# KiCad board 96_keeb.kicad_pcb (continued)
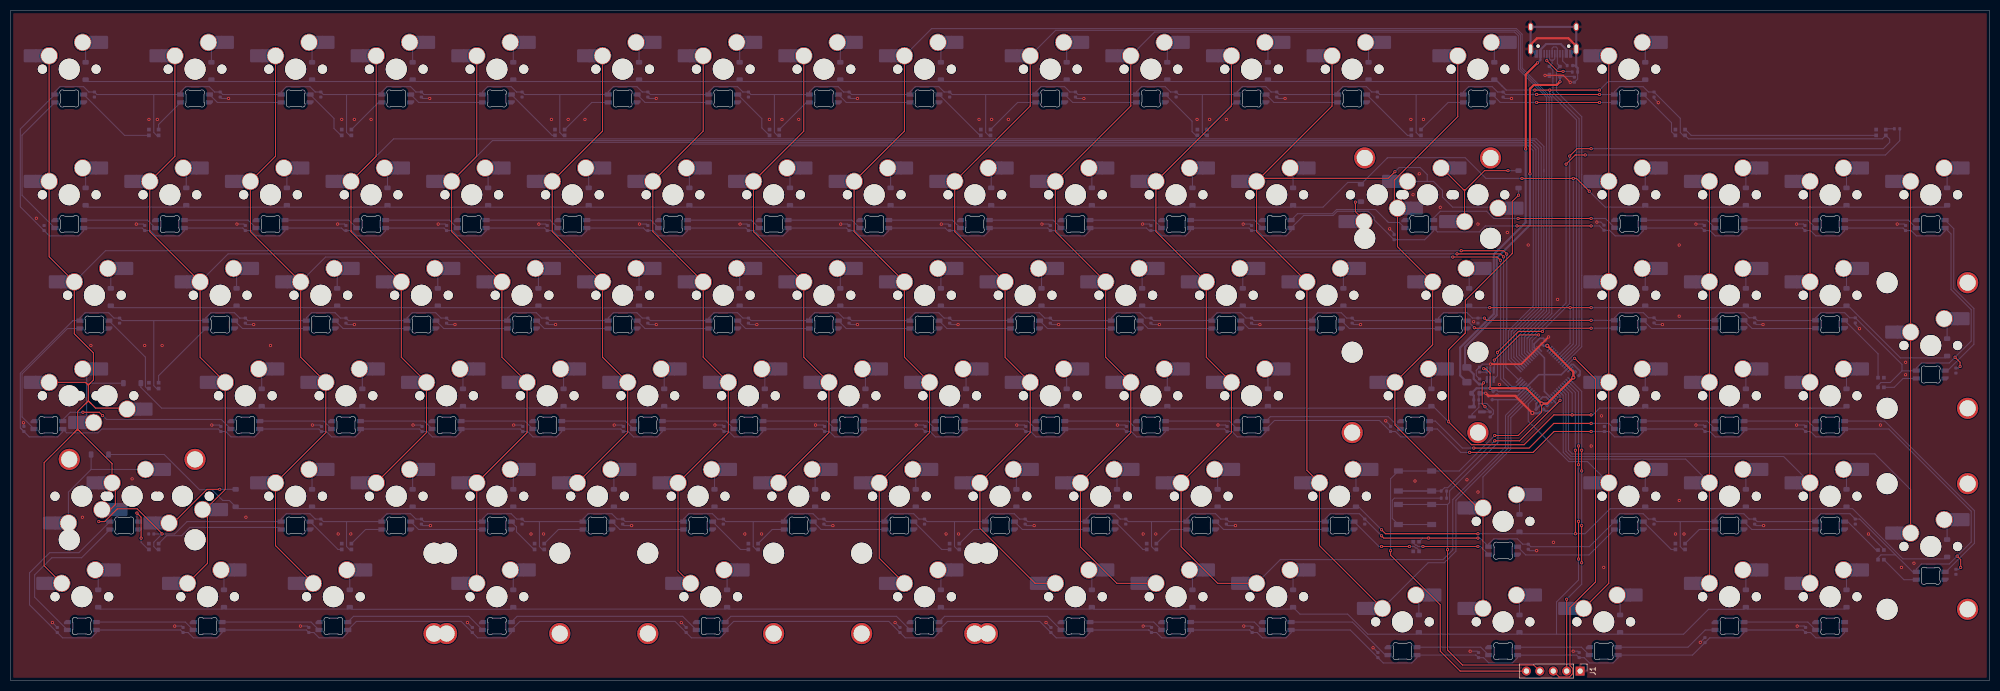
[diagram p0: board, top side]
## Routing (per net, layer and track width the routed paths; a pad name or vN(x,y) marks a point on that pad's centre or on a via; arc(x,y) is an arc through that point) (continued)
VBUS: length 76.4
  Top w0.4: v1(286.85,100.76) 286.85,114.84 v1(289.09,117.08)
  Bottom w0.4: v1(286.85,100.76) 286.85,86.82 280.82,80.79 280.82,69.48 274.45,63.11 274.45,57.83 F1.1 ; J2.A9 294.55,119.59 293.49,120.65 290.71,120.65 289.65,119.59 J2.A4 289.65,117.64 v1(289.09,117.08)
BOOT0: length 45.7
  Top w0.2: v1(293.36,53.09) 285.7,45.43 v1(280.99,45.43)
  Bottom w0.2: BOOT1.2 BOOT1.2 R3.1 271.48,36.53 272.09,36.53 v1(280.99,45.43) ; v1(293.36,53.09) 293.36,53.95 U1.44
col_0: length 447.2
  Top w0.2: 11.91,46.83 6.35,41.27 6.35,21.75 MX90.1 ; 11.91,46.83 12.7,47.62 ; 11.91,46.83 12.55,47.48 12.85,47.48 13.49,46.83 ; 13.49,46.83 19.21,41.12 MX72.1 ; 13.49,46.83 12.7,47.62 ; 14.72,53.01 14.19,52.49 ; 14.72,53.01 14.72,55.99 ; 14.72,53.01 15.21,52.52 ; 14.19,52.49 12.7,51 12.7,47.62 ; 14.19,52.49 14.57,52.87 14.86,52.87 15.21,52.52 ; 19.84,36.83 19.84,33.34 18.89,32.38 MX71.1 ; 21.88,51.63 16.1,51.63 15.21,52.52 ; 14.32,56.39 14.72,55.99 ; 14.32,56.39 14.19,56.51 MX55.1 ; 14.32,56.39 14.58,56.13 14.86,56.13 15.08,56.36 ; 14.72,55.99 15.08,56.36 ; MX1.1 MX16.1 7.3,80.33 12.06,75.56 12.06,65.72 15.68,62.1 15.68,56.96 15.08,56.36 ; v1(283.27,80.84) 283.27,80.89 282.68,81.47 v1(274.64,81.47)
  Bottom w0.2: 12.06,75.56 17.97,81.47 v1(274.64,81.47) ; 283.15,59.33 283.55,58.92 ; 283.55,58.92 U1.12 ; 283.55,58.92 283.11,59.37 283.11,66.53 283.27,66.69 v1(283.27,80.84)
col_1: length 386.6
  Top w0.2: MX2.1 31.11,99.38 MX17.1 26.35,85.09 35.88,75.56 35.88,61.28 MX56.1 40.64,36.2 36.82,32.38 ; v1(282.66,80.3) 282.09,80.87 v1(273.84,80.87) ; 37.27,31.46 37.27,22.19 MX91.1
  Bottom w0.2: U1.11 284.94,55.69 284.26,55.69 282.66,57.28 v1(282.66,80.3) ; v1(273.84,80.87) 41.18,80.87 35.88,75.56
col_2: length 372.1
  Top w0.2: v1(273.05,80.27) 281.45,80.27 v1(282.06,79.66) ; MX92.1 50.16,25.56 MX74.1 59.69,46.99 MX57.1 54.93,61.28 54.93,75.56 45.4,85.09 MX18.1 50.16,99.38 MX3.1
  Bottom w0.2: v1(282.06,79.66) 282.11,79.61 282.11,57.13 284.06,55.19 285.14,55.19 U1.10 ; v1(273.05,80.27) 59.63,80.27 54.93,75.56
col_3: length 366.4
  Top w0.2: MX75.1 78.74,46.99 MX58.1 73.98,61.28 73.98,75.56 64.45,85.09 MX19.1 69.22,99.38 MX4.1
  Bottom w0.2: MX19.1 72.51,102.67 288.86,102.67 290.29,101.24 290.29,96.41 ; 290.29,96.9 290.29,70.18 285.61,65.5 285.61,61.7 U1.17
col_4: length 365.4
  Top w0.2: MX93.1 MX76.1 97.79,46.99 MX59.1 93.03,61.28 93.03,75.56 83.5,85.09 MX20.1 88.27,99.38 MX5.1
  Bottom w0.2: U1.16 285.11,61.49 285.11,65.7 289.79,70.39 289.79,101.04 288.48,102.34 91.23,102.34 MX20.1
col_5: length 329.8
  Top w0.2: MX6.1 112.08,104.14 MX21.1 102.55,85.09 112.08,75.56 112.08,61.28 MX60.1 116.84,46.99 MX77.1
  Bottom w0.2: 289.29,100.83 288.6,101.52 ; 289.29,100.83 289.29,70.6 284.61,65.91 284.61,61.28 U1.15 ; 289.29,100.83 288.6,101.52 ; 288.6,101.52 288.1,102.02 109.95,102.02 MX21.1
col_6: length 329.6
  Top w0.2: MX94.1 126.37,20.8 MX78.1 135.89,46.99 MX61.1 131.13,61.28 131.13,75.56 121.6,85.09 MX22.1 131.13,104.14 MX7.1
  Bottom w0.2: 284.15,66.16 284.3,66.31 ; 284.3,66.31 284.11,66.12 284.11,61.08 U1.14 ; 284.3,66.31 288.79,70.8 288.79,100.62 287.73,101.69 128.68,101.69 MX22.1
col_7: length 289.8
  Top w0.2: MX79.1 154.94,46.99 MX62.1 150.18,61.28 150.18,75.56 140.65,85.09 MX23.1 150.18,104.14 MX8.1
  Bottom w0.2: MX23.1 147.4,101.36 287.35,101.36 288.29,100.41 288.29,71.01 283.61,66.32 283.61,60.87 U1.13
col_8: length 303
  Top w0.2: MX9.1 169.23,104.14 MX24.1 159.7,85.09 169.23,75.56 169.23,61.28 MX63.1 173.99,46.99 MX80.1 164.47,23.18 MX95.1
  Bottom w0.2: 287.49,61.94 U1.20 287.4,62.03 ; 287.4,62.03 287.11,62.32 287.11,64.87 287.33,65.1 ; 287.4,62.03 287.15,62.28 ; 287.61,65.38 287.33,65.1 ; 287.61,65.38 291.79,69.56 291.79,110.48 286.18,116.09 286.18,122.5 285.1,123.57 174.37,123.57 MX9.1 ; 287.61,65.38 287.15,64.91 287.33,65.1
col_9: length 285.3
  Top w0.2: MX10.1 193.04,108.9 MX25.1 178.75,85.09 188.28,75.56 188.28,61.28 MX64.1 193.04,46.99 MX81.1 183.52,28.88 193.98,18.41 MX96.1
  Bottom w0.2: U1.19 286.61,62.11 286.61,65.08 286.86,65.33 ; 286.86,65.33 286.65,65.12 ; 286.86,65.33 291.29,69.77 291.29,110.52 285.85,115.96 285.85,122.36 284.96,123.25 197.86,123.25 MX10.1
col_10: length 267.7
  Top w0.2: MX11.1 212.09,108.9 MX26.1 197.8,85.09 207.33,75.56 207.33,61.28 MX65.1 212.09,46.99 MX82.1 202.56,25.3 209.45,18.41 MX97.1
  Bottom w0.2: MX11.1 216.58,122.92 284.76,122.92 285.48,122.2 285.48,115.87 290.79,110.55 290.79,69.98 286.11,65.29 286.11,61.9 U1.18
col_11: length 204.7
  Top w0.2: MX12.1 231.14,108.9 MX27.1 216.85,85.09 226.38,75.56 226.38,61.28 MX66.1 231.14,46.99 MX83.1 221.62,25.34 228.54,18.41 MX98.1
  Bottom w0.2: 287.89,55.1 285.93,53.15 ; 285.93,53.15 283.03,50.25 283.03,44.27 273.05,34.28 273.05,24.75 271.21,22.91 240.39,22.91 MX98.1 ; 285.93,53.15 U1.6
col_12: length 228.1
  Top w0.2: MX13.1 250.19,108.9 MX28.1 235.9,85.09 245.43,75.56 245.43,39.85 246.86,38.42 ; v1(262.1,96.45) 260.86,95.2 236.49,95.2 ; MX101.1 247.81,25.56 MX84.1
  Bottom w0.2: v1(262.1,96.45) 262.89,97.24 266.86,97.24 268.21,95.89 268.21,94.61 ; 268.21,94.61 MX30.1 ; 268.21,94.61 269.39,94.61 271.09,92.92 271.09,91.65 273.02,89.73 281.43,89.73 ; MX101.1 268.38,22.32 271.45,22.32 273.64,24.51 273.64,34.17 283.53,44.06 283.53,50.04 288.27,54.78
col_13: length 147
  Top w0.2: MX14.1 274,106.9 261.98,94.87 261.98,90.13 ; MX29.1 262.57,82.23 269.24,75.56 269.24,63.66 MX67.1 262.1,48.42 277.81,32.7 ; MX88.1 MX102.1
  Bottom w0.2: 288.51,54.31 284.03,49.83 284.03,43.85 278.76,38.59 MX88.1
col_14: length 132
  Top w0.2: MX15.1 MX32.1 MX68.1 MX85.1 302.58,18.41 MX103.1
  Bottom w0.2: U1.3 287.34,52.43 287.34,49.16 295.01,41.48 298.56,41.48 MX85.1
col_15: length 119.2
  Top w0.2: MX99.1 MX86.1 MX69.1 MX33.1
  Bottom w0.2: MX86.1 317.14,41.96 295.24,41.96 293.96,43.24 293.96,54.05 U1.43 293.88,54.13
col_16: length 137
  Top w0.2: MX100.1 MX87.1 MX70.1 MX34.1
  Bottom w0.2: U1.42 294.46,54.26 294.46,43.45 295.45,42.46 335.69,42.46 MX87.1
col_17: length 155.1
  Top w0.2: MX89.1 MX53.1 MX35.1
  Bottom w0.2: MX89.1 359.73,36.18 352.95,42.96 295.66,42.96 294.96,43.66 294.96,54.47 U1.41
D+: length 65.7
  Bottom w0.2: 294.37,60.17 297.46,63.26 297.46,74.32 297.45,74.33 297.45,76.8 297.46,76.81 297.46,93.37 297.45,93.38 297.45,95.85 297.46,95.86 297.46,106.87 292.7,111.64 292.7,115.77 U3.3 292.85,116.91 J2.B6 292.85,119.85 292.6,120.1 292.1,120.1 291.85,119.85 J2.A6
D-: length 64.2
  Bottom w0.2: U1.32 296.96,63.47 296.96,106.48 292,111.44 292,114.19 292,115.77 U3.2 291.85,116.92 291.85,117.6 ; 291.85,117.6 291.6,117.6 291.35,117.85 J2.B7 ; 291.85,117.6 292.1,117.6 292.35,117.85 J2.A7
led_input: length 107.5
  Top w0.2: v1(294.5,97.89) 296.23,99.62 v1(298.12,99.62)
  Bottom w0.2: v1(294.5,97.89) 294.5,71.56 287.61,64.67 287.61,62.53 U1.21 287.65,62.49 ; R5.2 357.67,102.32 354.97,99.62 v1(298.12,99.62)
led_input_1: length 29
  Bottom w0.2: LED16.3 2.18,91.98 2.18,103.37 LED1.2
led_input_2: length 32.9
  Bottom w0.2: 366.67,58.69 371.71,63.73 371.71,70.5 367.89,74.32 367.89,85.64 LED33.2
led_input_3: length 25.9
  Bottom w0.2: LED34.2 10.78,66.72 2.18,58.11 2.18,49.96 4.43,47.71
led_input_4: length 45.5
  Bottom w0.2: LED67.2 354.11,49.17 354.11,49.17 354.82,49.17 371.8,32.19 371.8,26 366.4,20.59
led_input_5: length 30.8
  Bottom w0.2: LED68.2 13.44,23.26 7.81,23.26 4.56,20.01 4.56,15.78 LED85.3
NRST: length 87.5
  Top w0.2: J1.4 288.38,2.93 274.88,2.93 272.06,5.76 v1(272.06,24.8)
  Bottom w0.2: 272.06,33.34 272.45,33.73 272.45,35.93 281.59,45.07 281.59,53.15 281.52,53.23 ; 272.06,33.34 v1(272.06,24.8) ; 272.06,33.34 272.06,33.36 RST1.1 RST1.1
  Bottom w0.25: C3.1 285.31,53.23 U1.7
RGB3.3: length 16.5
  Top w0.2: v1(289.29,65.5) 285.68,65.5 v1(280.91,60.73)
  Bottom w0.2: U1.22 288.07,62.77 288.07,64.39 289.19,65.5 v1(289.29,65.5) ; v1(280.91,60.73) 280.91,58.94 U2.3
RGB5v: length 2690.9
  Top w0.2: v1(279.04,68.7) 279.46,68.27 v1(299.24,68.27) ; v1(28.69,27.77) 28.69,27.82 23.96,32.55 20.23,32.55 17.8,30.12 v1(16.7,30.12) ; v1(299.24,86.17) v1(285.2,86.17) ; v1(369.21,21.42) 369.21,22.91 v1(368.53,23.58) ; v1(259.55,27.43) 259.99,26.99 v1(268.45,26.99) v1(277.81,26.99) ; v1(299.24,47.19) 292.22,47.19 288.26,43.24 v1(276.23,43.24) ; v1(290.04,66.17) 285.48,66.17 281.51,62.2 v1(281.51,62.2) ; v1(295.18,99.42) 296.57,100.81 v1(299.24,100.81) ; v1(369.09,59.53) 369.09,60.32 v1(368.14,61.28) ; v1(288.93,111.08) v1(300.83,111.08)
  Bottom w0.2: 225.61,111.08 225.63,111.06 225.63,103.87 226.16,103.34 ULED6.4 ; 225.61,111.08 221.14,111.08 C21.2 219.6,111.56 219.6,111.57 218.6,112.57 214.14,112.57 213.18,111.6 213.18,111.08 ; 225.61,111.08 LED12.1 ; 266.16,111.08 259.24,111.08 C23.2 257.7,111.56 257.7,111.57 256.7,112.57 252.24,112.57 251.27,111.6 251.27,111.08 ; 266.16,111.08 266.11,111.03 266.11,103.89 266.66,103.34 ULED7.4 ; 266.16,111.08 273.5,111.08 273.5,111.08 275.09,111.08 275.09,111.6 276.06,112.57 280.51,112.57 281.52,111.56 C26.2 283.05,111.08 283.82,111.08 283.82,111.08 v1(288.93,111.08) ; 114.83,30.6 C84.2 116.37,30.12 127.45,30.12 127.45,30.64 128.42,31.61 132.87,31.61 133.91,30.58 134.92,30.58 ; 113.16,111.08 113.16,111.6 114.13,112.57 118.59,112.57 119.59,111.57 119.59,111.56 C18.2 121.13,111.08 LED7.1 ; LED3.1 40.17,111.08 C14.2 38.63,111.56 38.63,111.57 37.62,112.57 33.17,112.57 32.2,111.6 32.2,111.08 ; v1(276.23,43.24) 274.55,43.24 270.12,47.67 LED64.1 268.63,47.15 267.66,46.18 263.2,46.18 262.2,47.19 C76.2 259.16,49.29 239.3,49.29 LED63.1 237.68,47.15 236.71,46.18 232.25,46.18 231.24,47.19 C75.2 229.83,47.67 LED62.1 218.62,47.15 217.66,46.18 213.2,46.18 212.19,47.19 C74.2 210.78,47.67 LED61.1 199.58,47.15 198.61,46.18 194.15,46.18 193.14,47.19 C73.2 191.73,47.67 LED60.1 180.53,47.15 179.56,46.18 175.1,46.18 174.09,47.19 C72.2 172.68,47.67 LED59.1 161.48,47.15 160.51,46.18 156.05,46.18 155.04,47.19 C71.2 153.63,47.67 LED58.1 142.42,47.15 141.46,46.18 137,46.18 135.99,47.19 C70.2 134.58,47.67 LED57.1 123.38,47.15 122.41,46.18 117.95,46.18 116.94,47.19 C69.2 115.53,47.67 LED56.1 104.33,47.15 103.36,46.18 98.9,46.18 97.89,47.19 C68.2 96.48,47.67 LED55.1 85.28,47.15 84.31,46.18 79.85,46.18 78.84,47.19 C67.2 77.43,47.67 LED54.1 66.22,47.15 65.26,46.18 60.8,46.18 59.8,47.18 59.8,47.19 C66.2 58.38,47.67 LED53.1 47.17,47.15 46.21,46.18 41.75,46.18 40.74,47.19 C65.2 39.33,47.67 17.25,47.67 16.52,46.94 10.61,46.94 LED52.1 9.88,47.15 8.92,46.18 3.53,46.18 2.49,47.21 ; 242.44,9.57 242.44,9.05 241.47,8.08 237.01,8.08 236.01,9.08 236.01,9.09 C105.2 234.58,9.57 223.39,9.57 ; 184.61,111.08 184.61,103.89 185.16,103.34 ULED5.4 ; 184.61,111.08 178.28,111.08 C24.2 176.74,111.56 176.74,111.57 175.74,112.57 171.28,112.57 170.31,111.6 170.31,111.08 ; 184.61,111.08 LED10.1 ; 108.4,30.12 108.4,30.64 109.37,31.61 113.82,31.61 114.83,30.61 ; ULED11.4 353.56,55.93 354.11,56.48 355.88,56.48 358.1,58.69 ; 100.12,30.12 LED72.1 ; 100.12,30.12 100.12,25.39 100.68,24.84 ULED14.4 ; 100.12,30.12 97.32,30.12 C83.2 95.78,30.6 94.77,31.61 90.32,31.61 89.35,30.64 89.35,30.12 ; 151.26,111.08 151.26,111.6 152.23,112.57 156.69,112.57 157.69,111.57 157.69,111.56 C20.2 159.23,111.08 LED9.1 ; LED1.1 1.85,104.54 1.85,89.79 7.36,84.28 12.87,84.28 13.84,85.25 LED16.1 24.92,85.77 C29.2 26.46,85.29 26.46,85.28 27.46,84.28 31.92,84.28 32.89,85.25 LED17.1 43.97,85.77 C30.2 45.51,85.29 45.51,85.28 46.51,84.28 50.97,84.28 51.94,85.25 LED18.1 62.66,85.77 63.14,85.29 C31.2 64.56,85.29 64.56,85.28 65.56,84.28 70.02,84.28 70.99,85.25 LED19.1 ; 51.25,111.08 51.25,111.6 52.22,112.57 56.67,112.57 57.68,111.57 57.68,111.56 C15.2 59.22,111.08 63.61,111.08 ; 51.25,30.12 51.25,30.64 52.22,31.61 56.67,31.61 57.68,30.61 57.68,30.6 C81.2 59.22,30.12 63.61,30.12 ; 140.61,30.12 140.61,25.39 141.16,24.84 ULED15.4 ; 140.61,30.12 LED74.1 ; 140.61,30.12 135.42,30.12 C85.2 ; 63.61,111.08 63.61,103.9 64.18,103.34 ULED2.4 ; 63.61,111.08 LED4.1 ; v1(28.69,27.77) 27.11,26.19 27.11,25.39 27.66,24.84 ULED12.4 ; v1(28.69,27.77) 31.07,27.77 33.42,30.12 LED69.1 ; v1(28.69,27.77) C80.2 ; 358.1,58.69 360.81,58.69 360.81,59.21 361.78,60.18 367.04,60.18 v1(368.14,61.28) 371.2,64.35 371.2,70.3 367.38,74.12 367.38,84.65 LED33.1 366.26,85.25 365.29,84.28 360.84,84.28 359.83,85.29 C45.2 358.3,85.77 347.21,85.77 ; 358.1,58.69 358.1,59.91 C62.2 348.2,68.75 347.25,69.71 342.73,69.71 341.76,68.74 341.76,68.22 330.74,68.22 C61.2 329.14,68.75 329.14,68.76 328.2,69.71 323.68,69.71 322.71,68.74 322.71,68.22 ; v1(290.04,66.17) 290.04,66.3 295.18,71.44 v1(295.18,99.42) ; 146.5,30.12 146.5,30.64 147.47,31.61 151.92,31.61 152.93,30.61 152.93,30.6 C86.2 154.47,30.12 LED75.1 ; ULED3.4 104.54,103.34 103.99,103.89 103.99,111.08 ; 144.61,111.08 LED8.1 ; 144.61,111.08 140.18,111.08 C19.2 138.64,111.56 138.64,111.57 137.64,112.57 133.18,112.57 132.21,111.6 132.21,111.08 ; 144.61,111.08 144.61,103.89 145.16,103.34 ULED4.4 ; 178.71,30.12 173.52,30.12 C87.2 171.98,30.6 171.98,30.61 170.97,31.61 166.52,31.61 165.55,30.64 165.55,30.12 ; 178.71,30.12 178.71,25.39 179.26,24.84 ULED16.4 ; 178.71,30.12 LED76.1 ; LED43.1 178.28,68.22 C54.2 176.75,68.7 175.74,69.71 171.28,69.71 170.31,68.74 LED42.1 159.23,68.22 C53.2 157.7,68.7 156.69,69.71 152.23,69.71 151.26,68.74 LED41.1 140.18,68.22 C52.2 138.65,68.7 137.64,69.71 133.18,69.71 132.21,68.74 LED40.1 121.13,68.22 C51.2 119.6,68.7 118.59,69.71 114.13,69.71 113.16,68.74 LED39.1 102.08,68.22 C50.2 100.55,68.7 99.54,69.71 95.08,69.71 94.11,68.74 LED38.1 83.03,68.22 C49.2 81.5,68.7 80.49,69.71 76.03,69.71 75.06,68.74 LED37.1 63.98,68.22 C48.2 62.45,68.7 61.44,69.71 56.98,69.71 56.01,68.74 LED36.1 44.9,68.22 44.9,68.22 44.9,68.25 C47.2 43.4,68.7 43.39,68.71 ; LED45.1 216.38,68.22 C56.2 214.85,68.7 213.84,69.71 209.38,69.71 208.41,68.74 208.41,68.22 ; LED13.1 240.19,111.08 C22.2 238.65,111.56 238.65,111.57 237.65,112.57 233.19,112.57 232.22,111.6 232.22,111.08 ; 356.88,23.81 354.11,23.81 353.56,23.26 ULED20.4 ; 356.88,23.81 360.1,20.59 LED84.1 360.81,21.11 361.78,22.08 367.04,22.08 371.2,26.25 371.2,32.08 359.61,43.67 359.61,43.67 355.61,47.67 LED67.1 347.21,47.15 346.24,46.18 341.79,46.18 340.78,47.19 C79.2 ; 356.88,23.81 350.09,30.6 C95.2 348.24,31.61 342.73,31.61 341.76,30.64 LED83.1 330.68,30.12 C94.2 329.14,30.6 329.14,30.61 328.14,31.61 323.68,31.61 322.71,30.64 LED82.1 316.02,30.12 ; LED27.1 223.39,85.25 222.42,84.28 217.96,84.28 216.96,85.28 216.96,85.29 C39.2 215.54,85.29 215.06,85.77 LED26.1 204.34,85.25 203.37,84.28 198.91,84.28 197.91,85.28 197.91,85.29 C38.2 196.37,85.77 LED25.1 185.29,85.25 184.32,84.28 179.86,84.28 178.86,85.28 178.86,85.29 C37.2 177.44,85.29 176.96,85.77 LED24.1 166.24,85.25 165.27,84.28 160.81,84.28 159.81,85.28 159.81,85.29 C36.2 158.27,85.77 147.19,85.77 ; 184.6,30.12 184.6,30.64 185.57,31.61 190.02,31.61 191.03,30.61 191.03,30.6 C88.2 192.57,30.12 203.65,30.12 ; 339.82,47.19 339.34,47.67 LED66.1 328.16,47.15 327.19,46.18 322.74,46.18 321.73,47.19 C78.2 320.32,47.67 LED65.1 309.11,47.15 308.14,46.18 303.69,46.18 302.68,47.19 C77.2 v1(299.24,47.19) ; 70.3,30.12 70.3,30.64 71.27,31.61 75.72,31.61 76.73,30.6 C82.2 78.27,30.12 LED71.1 ; LED77.1 203.65,30.64 204.62,31.61 209.08,31.61 210.08,30.61 210.08,30.6 C89.2 211.62,30.12 216.01,30.12 ; ULED1.4 27.66,103.34 27.11,103.89 27.11,111.08 ; 27.11,68.22 LED35.1 36.96,68.74 37.93,69.71 42.39,69.71 43.39,68.71 ; 27.11,68.22 21.12,68.22 C46.2 19.58,68.7 18.58,69.71 14.12,69.71 13.15,68.74 LED34.1 11.82,68.22 1.85,58.25 1.85,47.86 C64.2 1.92,47.79 1.92,47.81 1.91,47.82 ; 27.11,68.22 27.11,55.89 27.66,55.34 ULED10.4 ; 27.11,111.08 16.36,111.08 C13.2 14.81,111.56 14.81,111.57 13.81,112.57 9.36,112.57 8.39,111.6 8.39,111.08 ; 27.11,111.08 LED2.1 ; C96.2 368.86,21.07 v1(369.21,21.42) ; v1(277.81,26.99) 278.22,26.99 LED80.1 279.85,25.88 280.82,26.84 285.28,26.84 286.28,25.85 286.28,25.84 C92.2 287.82,25.36 298.9,25.36 LED81.1 303.66,30.64 304.63,31.61 309.09,31.61 310.09,30.61 310.09,30.6 C93.2 311.63,30.12 316.02,30.12 ; ULED17.4 216.56,24.84 216.01,25.39 216.01,30.12 ; 311.15,111.54 316.12,106.57 316.12,103.89 316.67,103.34 ULED8.4 317.68,102.69 354.38,102.69 ULED9.4 355.76,102.6 355.76,102 354.57,100.81 v1(299.24,100.81) ; LED95.1 285.3,4.29 284.33,3.32 279.87,3.32 278.87,4.32 278.87,4.32 C107.2 277.44,4.8 277.36,4.8 277.36,4.81 LED94.1 266.25,4.29 265.28,3.32 259.88,3.32 253.63,9.57 LED93.1 ; LED11.1 202.09,111.08 C25.2 200.55,111.56 200.55,111.57 199.55,112.57 195.09,112.57 194.12,111.6 194.12,111.08 ; 216.01,30.12 LED78.1 222.7,30.64 223.67,31.61 228.13,31.61 229.13,30.61 229.13,30.6 C90.2 230.67,30.12 LED79.1 248.89,30.64 249.86,31.61 255.37,31.61 v1(259.55,27.43) ; 63.61,30.12 LED70.1 ; 63.61,30.12 63.61,25.39 64.16,24.84 ULED13.4 ; LED98.1 347.21,9.05 346.24,8.08 341.79,8.08 340.79,9.08 340.79,9.09 C110.2 339.36,9.57 LED97.1 328.16,9.05 327.19,8.08 321.7,8.08 318.43,4.81 LED96.1 ; U2.4 281.51,57.77 v1(281.51,62.2) ; v1(369.09,59.53) 368.79,59.23 C63.2 ; ULED19.4 316.66,24.84 316.11,25.39 316.11,30.03 316.02,30.12 ; 43.39,68.71 43.39,68.7 ; 303.66,111.08 v1(300.83,111.08) ; 223.39,85.77 234.47,85.77 C40.2 236.01,85.29 236.01,85.28 237.01,84.28 241.47,84.28 242.44,85.25 LED28.1 244.82,88.15 250.39,88.15 251.19,88.95 257.03,88.95 258.17,87.8 258.17,87.31 C41.2 267.73,83.55 269.43,85.25 LED29.1 270.15,85.04 278.1,85.04 279.22,86.17 v1(285.2,86.17) ; LED5.1 78.27,111.08 C16.2 76.73,111.56 76.73,111.57 75.72,112.57 71.27,112.57 70.3,111.6 70.3,111.08 ; C27.2 310.1,111.56 309.09,112.57 304.63,112.57 303.66,111.6 LED15.1 ; v1(16.7,30.12) LED68.1 ; ULED18.4 267.35,26.99 v1(268.45,26.99) ; 339.27,85.77 LED31.1 328.16,85.25 327.19,84.28 322.74,84.28 321.73,85.29 C43.2 320.19,85.77 309.11,85.77 309.11,85.25 308.14,84.28 303.79,84.28 302.73,85.34 C42.2 300.85,86.17 v1(299.24,86.17) ; 189.36,68.22 189.36,68.74 190.33,69.71 194.79,69.71 195.8,68.7 C55.2 197.33,68.22 LED44.1 ; 285.3,4.8 296.5,4.8 C108.2 297.92,4.32 297.92,4.32 298.93,3.32 303.38,3.32 304.35,4.28 304.35,4.8 ; 103.99,111.08 97.32,111.08 C17.2 95.78,111.56 95.78,111.57 94.77,112.57 90.32,112.57 89.35,111.6 89.35,111.08 ; 103.99,111.08 LED6.1 ; LED92.1 223.39,9.05 222.42,8.08 217.96,8.08 216.96,9.08 216.96,9.09 C104.2 215.53,9.57 215.45,9.57 215.45,9.57 LED91.1 204.34,9.05 203.37,8.08 197.97,8.08 C103.2 194.86,11.19 177.38,11.19 LED90.1 175.76,9.05 174.79,8.08 169.39,8.08 166.28,11.19 136.9,11.19 LED89.1 135.28,9.05 134.31,8.08 128.91,8.08 125.8,11.19 96.42,11.19 LED88.1 94.8,9.05 93.83,8.08 88.43,8.08 85.32,11.19 65.47,11.19 LED87.1 63.84,9.05 62.88,8.08 58.42,8.08 57.42,9.08 57.42,9.09 C99.2 55.99,9.57 LED86.1 40.03,9.05 39.06,8.08 34.6,8.08 33.61,9.08 33.61,9.09 C98.2 32.17,9.57 LED85.1 16.22,9.05 15.25,8.08 9.85,8.08 3.6,14.34 3.6,20.41 7.41,24.22 12.94,24.22 18.7,29.98 ; 227.46,68.22 227.46,68.74 228.43,69.71 232.89,69.71 233.9,68.7 C57.2 235.43,68.22 LED46.1 ; v1(299.24,68.27) LED48.1 ; LED49.1 311.63,68.27 C60.2 310.1,68.75 309.15,69.71 304.63,69.71 303.66,68.74 303.66,68.22 ; LED23.1 147.19,85.25 146.22,84.28 141.76,84.28 140.76,85.28 140.76,85.29 C35.2 139.22,85.77 LED22.1 128.14,85.25 127.17,84.28 122.71,84.28 121.71,85.28 121.71,85.29 C34.2 120.29,85.29 119.81,85.77 LED21.1 109.09,85.25 108.12,84.28 103.66,84.28 102.66,85.28 102.66,85.29 C33.2 101.12,85.77 LED20.1 90.04,85.25 89.07,84.28 84.61,84.28 83.61,85.28 83.61,85.29 C32.2 82.07,85.77 70.99,85.77 ; 339.27,85.77 339.27,85.74 C44.2 340.79,85.29 340.79,85.28 341.79,84.28 346.24,84.28 347.21,85.25 LED32.1 ; 246.51,68.22 246.51,68.74 247.48,69.71 251.94,69.71 252.95,68.7 C58.2 254.48,68.22 LED47.1 270.32,68.74 271.29,69.71 275.75,69.71 276.75,68.71 276.75,68.7 C59.2 v1(279.04,68.7)
row_0: length 344.1
  Top w0.2: v1(288.58,111.92) v1(291.4,111.92) v1(300.83,111.92)
  Bottom w0.2: 57.42,113.54 75.78,113.54 ; 283.16,111.92 282.36,112.71 282.34,112.71 281.52,113.54 281.26,113.54 ; 283.16,111.92 v1(288.58,111.92) ; 283.16,111.92 281.18,113.89 ; 14.56,113.54 37.68,113.54 ; 219.35,113.54 237.7,113.54 ; 138.39,113.54 156.74,113.54 ; 238.4,113.54 256.75,113.54 ; 76.47,113.54 94.83,113.54 ; v1(291.4,111.92) 291.4,111.34 296.46,106.27 296.46,63.68 U1.31 ; 257.45,113.54 280.56,113.54 ; 176.49,113.54 199.6,113.54 ; 157.44,113.54 175.79,113.54 ; 119.34,113.54 137.69,113.54 ; 95.52,113.54 118.64,113.54 ; 200.3,113.54 218.65,113.54 ; v1(300.83,111.92) 302.45,113.54 309.14,113.54 ; 38.37,113.54 56.73,113.54
row_1: length 386.2
  Top w0.2: v1(298.89,92.75) 296.47,95.17 v1(286.15,95.17)
  Bottom w0.2: 260.7,99.11 275.39,99.11 279.32,95.17 v1(286.15,95.17) ; 260.7,99.11 260.55,98.95 ; 260.7,99.11 260.55,98.95 ; v1(298.89,92.75) 301.92,89.73 309.13,89.73 D31.1 ; 186.01,89.73 204.36,89.73 ; 166.96,89.73 185.31,89.73 ; 71.71,89.73 90.06,89.73 ; 260.55,98.95 D29.1 ; U1.30 295.86,63.78 v1(295.86,95.17) ; 128.86,89.73 147.21,89.73 ; 255.31,94.42 253.17,94.42 248.48,89.73 243.17,89.73 D28.1 242.46,89.73 224.12,89.73 D27.1 ; 147.91,89.73 166.26,89.73 ; 328.89,89.73 347.21,89.73 ; 109.81,89.73 128.16,89.73 ; 14.56,89.73 32.91,89.73 ; 33.61,89.73 51.96,89.73 ; 52.66,89.73 71.01,89.73 ; 205.06,89.73 223.41,89.73 ; 347.94,89.73 366.28,89.73 ; 309.84,89.73 328.16,89.73 ; 90.76,89.73 109.11,89.73
row_2: length 350.3
  Top w0.2: v1(280.04,70.68) v1(295.26,70.68) v1(299.24,70.68)
  Bottom w0.2: 137.69,70.68 119.34,70.68 ; v1(299.24,70.68) 309.13,70.68 D49.1 ; 309.84,70.68 328.18,70.68 ; 42.44,70.68 19.32,70.68 ; 251.99,70.68 233.64,70.68 ; 80.54,70.68 62.19,70.68 ; 118.61,70.64 100.32,70.64 ; 175.79,70.68 157.44,70.68 ; 347.94,70.68 348.27,70.68 357.79,61.15 366.28,61.15 ; 99.59,70.68 81.24,70.68 ; v1(280.04,70.68) 276.5,70.68 ; v1(295.26,70.68) 295.26,63.89 U1.29 ; 275.74,70.68 252.75,70.68 ; 328.89,70.68 347.23,70.68 ; 61.49,70.68 43.14,70.68 ; 232.94,70.68 214.59,70.68 ; 156.74,70.68 138.39,70.68 ; 194.84,70.68 176.49,70.68 ; 213.89,70.68 195.54,70.68
row_3: length 377.4
  Top w0.2: v1(299.24,50.35) 292.2,50.35 286.54,44.69 276.61,44.69 v1(272.26,49.04) 272.26,49.45 272.26,62.71 275.42,65.87 275.42,72.06 284.32,80.96 284.32,90.82 v1(285.5,92)
  Bottom w0.2: 86,51.63 104.35,51.63 ; 47.9,51.63 66.25,51.63 ; 238.46,51.63 268.59,51.63 ; D53.1 24.67,55.55 28.6,51.63 47.19,51.63 D54.1 ; 66.95,51.63 85.3,51.63 ; 328.95,51.63 347.17,51.63 ; D66.1 309.13,51.63 300.83,51.63 299.55,50.35 v1(299.24,50.35) ; 124.1,51.63 142.45,51.63 ; 105.11,51.63 123.34,51.63 ; 162.26,51.63 180.49,51.63 ; 219.35,51.63 237.7,51.63 ; D30.1 v1(285.5,92) ; 181.25,51.63 199.6,51.63 ; v1(272.26,49.04) 269.31,51.98 ; U1.40 295.65,54.48 v1(295.65,50.35) ; 200.3,51.63 218.65,51.63 ; 143.21,51.63 161.44,51.63 ; 309.84,51.63 328.18,51.63
row_4: length 381.6
  Top w0.2: v1(277.81,27.81) 260.32,27.81 v1(259.56,28.57) ; v1(296.25,43.66) v1(296.25,27.81)
  Bottom w0.2: D71.1 56.72,32.58 42.97,32.58 D70.1 41.43,34.12 40.17,34.12 38.13,36.15 35.77,36.15 29.09,42.84 D69.1 ; 133.62,32.58 151.98,32.58 ; 76.54,32.58 94.76,32.58 ; 309.13,32.58 310.21,32.58 302.85,32.58 298.09,27.81 296.47,27.81 ; v1(277.81,27.81) 285.33,27.81 ; 209.89,32.58 228.11,32.58 ; 328.89,32.58 347.23,32.58 ; 366.28,23.05 358.26,23.05 348.73,32.58 347,32.58 ; v1(259.56,28.57) 255.2,32.93 ; 228.94,32.58 254.31,32.58 ; 57.42,32.58 75.78,32.58 ; 152.74,32.58 170.96,32.58 ; 95.59,32.58 113.81,32.58 ; 114.57,32.58 132.93,32.58 ; U1.39 296.25,54.59 v1(296.25,43.66) ; 309.84,32.58 328.18,32.58 ; 296.47,27.81 286.03,27.81 ; 296.47,27.81 296.07,27.81 ; 171.79,32.58 190.01,32.58 ; 190.84,32.58 209.06,32.58
row_5: length 376.1
  Top w0.2: v1(296.85,30.16) v1(296.85,23.02) ; v1(296.85,44.45) v1(296.85,40.88)
  Bottom w0.2: 266.97,8.76 285.33,8.76 ; 286.02,8.76 304.38,8.76 ; 328.19,13.53 328.16,13.49 321.47,13.49 316.74,8.76 305.07,8.76 ; 292.69,8.76 292.69,14.89 296.85,19.05 ; v1(296.85,44.45) 296.85,54.7 U1.38 ; 176.48,13.53 204.36,13.53 ; v1(296.85,23.02) 296.85,19.06 ; 40.75,13.53 63.87,13.53 ; 205.09,13.49 223.38,13.49 ; 328.88,13.53 347.24,13.53 ; 16.94,13.53 40.06,13.53 ; 224.11,13.53 242.46,13.53 ; v1(296.85,40.88) v1(296.85,30.16) ; 266.28,8.76 256.95,8.76 253.14,12.57 244.12,12.57 243.16,13.53 ; 136,13.53 175.79,13.53 ; 64.6,13.49 94.79,13.49 ; 95.52,13.53 135.31,13.53
SWCLK: length 57.3
  Top w0.2: v1(294.61,15.4) J1.2 ; v1(297.45,43.66) v1(297.45,39.72) ; v1(297.45,22.3) v1(297.45,29.37)
  Bottom w0.2: v1(294.61,15.4) 297.45,18.25 v1(297.45,22.3) ; U1.37 297.45,54.8 v1(297.45,43.66) ; v1(297.45,29.37) v1(297.45,39.72)
SWD: length 70.2
  Top w0.2: v1(296.12,61.07) 300.08,57.11 300.08,18.67 295.24,13.84 295.24,2.78 295.76,2.26 295.76,1.3 295.08,0.63 293.22,0.63 J1.3
  Bottom w0.2: v1(296.12,61.07) 296.07,61.12 296.03,61.12 U1.34
Net-(D1-A): length 3.2
  Bottom w0.2: 14.21,117.19 14.21,120.41
Net-(D2-A): length 3.2
  Bottom w0.2: 38.02,117.19 38.02,120.41
Net-(D3-A): length 3.2
  Bottom w0.2: 57.07,117.19 57.07,120.41
Net-(D4-A): length 3.2
  Bottom w0.2: 76.12,117.19 76.12,120.41
Net-(D5-A): length 3.2
  Bottom w0.2: 95.18,117.19 95.18,120.41
Net-(D6-A): length 3.2
  Bottom w0.2: 118.99,117.19 118.99,120.41
Net-(D7-A): length 3.2
  Bottom w0.2: 138.04,117.19 138.04,120.41
Net-(D8-A): length 3.2
  Bottom w0.2: 157.09,117.19 157.09,120.41
Net-(D9-A): length 3.2
  Bottom w0.2: 176.14,117.19 176.14,120.41
Net-(D10-A): length 3.2
  Bottom w0.2: 199.95,117.19 199.95,120.41
Net-(D11-A): length 3.2
  Bottom w0.2: 219,117.19 219,120.41
Net-(D12-A): length 3.2
  Bottom w0.2: 238.05,117.19 238.05,120.41
Net-(D13-A): length 3.2
  Bottom w0.2: 257.1,117.19 257.1,120.41
Net-(D14-A): length 3.2
  Bottom w0.2: 280.91,117.19 280.91,120.41
Net-(D15-A): length 3.2
  Bottom w0.2: 309.49,117.19 309.49,120.41
Net-(D16-A): length 3.2
  Bottom w0.2: 14.21,93.37 14.21,96.59
Net-(D17-A): length 3.2
  Bottom w0.2: 33.26,93.37 33.26,96.59
Net-(D18-A): length 3.2
  Bottom w0.2: 52.31,93.37 52.31,96.59
Net-(D19-A): length 3.2
  Bottom w0.2: 71.36,93.37 71.36,96.59
Net-(D20-A): length 3.2
  Bottom w0.2: 90.41,93.37 90.41,96.59
Net-(D21-A): length 3.2
  Bottom w0.2: 109.46,93.37 109.46,96.59
Net-(D22-A): length 3.2
  Bottom w0.2: 128.51,93.37 128.51,96.59
Net-(D23-A): length 3.2
  Bottom w0.2: 147.56,93.37 147.56,96.59
Net-(D24-A): length 3.2
  Bottom w0.2: 166.61,93.37 166.61,96.59
Net-(D25-A): length 3.2
  Bottom w0.2: 185.66,93.37 185.66,96.59
Net-(D26-A): length 3.2
  Bottom w0.2: 204.71,93.37 204.71,96.59
Net-(D27-A): length 3.2
  Bottom w0.2: 223.76,93.37 223.76,96.59
Net-(D28-A): length 3.2
  Bottom w0.2: 242.81,93.37 242.81,96.59
Net-(D29-A): length 4.2
  Top w0.2: 255.59,87.91 254.61,88.89 v1(254.61,90.69)
  Bottom w0.2: v1(254.61,90.69) 255.59,90.69
Net-(D30-A): length 24.1
  Top w0.2: 275.46,93.04 275.27,92.86 ; 275.46,93.04 279.07,96.65 v1(283.5,96.65) ; 275.46,93.04 275.44,93.06 275.06,93.06 ; 275.27,92.86 MX31.2 ; 275.27,92.86 275.06,93.06 ; 270.97,97.15 275.06,93.06
  Bottom w0.2: v1(283.5,96.65) D30.2
Net-(D31-A): length 3.2
  Bottom w0.2: 309.49,93.38 309.49,96.6
Net-(D32-A): length 3.2
  Bottom w0.2: 328.54,93.38 328.54,96.6
Net-(D33-A): length 3.2
  Bottom w0.2: 347.59,93.38 347.59,96.6
Net-(D34-A): length 3.2
  Bottom w0.2: 366.64,93.38 366.64,96.6
Net-(D35-A): length 3.2
  Bottom w0.2: 18.98,74.32 18.98,77.54
Net-(D36-A): length 3.2
  Bottom w0.2: 42.79,74.32 42.79,77.54
Net-(D37-A): length 3.2
  Bottom w0.2: 61.84,74.32 61.84,77.54
Net-(D38-A): length 3.2
  Bottom w0.2: 80.89,74.32 80.89,77.54
Net-(D39-A): length 3.2
  Bottom w0.2: 99.94,74.32 99.94,77.54
Net-(D40-A): length 3.2
  Bottom w0.2: 118.99,74.32 118.99,77.54
Net-(D41-A): length 3.2
  Bottom w0.2: 138.04,74.32 138.04,77.54
Net-(D42-A): length 3.2
  Bottom w0.2: 157.09,74.32 157.09,77.54
Net-(D43-A): length 3.2
  Bottom w0.2: 176.14,74.32 176.14,77.54
Net-(D44-A): length 3.2
  Bottom w0.2: 195.19,74.32 195.19,77.54
Net-(D45-A): length 3.2
  Bottom w0.2: 214.24,74.32 214.24,77.54
Net-(D46-A): length 3.2
  Bottom w0.2: 233.29,74.32 233.29,77.54
Net-(D47-A): length 3.2
  Bottom w0.2: 252.34,74.32 252.34,77.54
Net-(D48-A): length 3.2
  Bottom w0.2: 276.15,74.32 276.15,77.54
Net-(D49-A): length 3.2
  Bottom w0.2: 309.49,74.33 309.49,77.55
Net-(D50-A): length 3.2
  Bottom w0.2: 328.54,74.33 328.54,77.55
Net-(D51-A): length 3.2
  Bottom w0.2: 347.59,74.33 347.59,77.55
Net-(D52-A): length 3.2
  Bottom w0.2: 366.64,64.8 366.64,68.02
Net-(D53-A): length 17.7
  Bottom w0.2: D53.2 14.41,56.36 14.41,57.15 ; 14.41,57.15 14.41,58.3 ; 14.41,57.15 14.41,50.2 MX54.2
Net-(D54-A): length 3.2
  Bottom w0.2: 47.55,55.27 47.55,58.49
Net-(D55-A): length 3.2
  Bottom w0.2: 66.6,55.27 66.6,58.49
Net-(D56-A): length 3.2
  Bottom w0.2: 85.65,55.27 85.65,58.49
Net-(D57-A): length 3.2
  Bottom w0.2: 104.7,55.27 104.7,58.49
Net-(D58-A): length 3.2
  Bottom w0.2: 123.75,55.27 123.75,58.49
Net-(D59-A): length 3.2
  Bottom w0.2: 142.8,55.27 142.8,58.49
Net-(D60-A): length 3.2
  Bottom w0.2: 161.85,55.27 161.85,58.49
Net-(D61-A): length 3.2
  Bottom w0.2: 180.9,55.27 180.9,58.49
Net-(D62-A): length 3.2
  Bottom w0.2: 199.95,55.27 199.95,58.49
Net-(D63-A): length 3.2
  Bottom w0.2: 219,55.27 219,58.49
Net-(D64-A): length 3.2
  Bottom w0.2: 238.05,55.27 238.05,58.49
Net-(D65-A): length 3.2
  Bottom w0.2: 269.01,55.27 269.01,58.49
Net-(D66-A): length 3.2
  Bottom w0.2: 309.49,55.28 309.49,58.5
Net-(D67-A): length 3.2
  Bottom w0.2: 328.54,55.28 328.54,58.5
Net-(D68-A): length 3.2
  Bottom w0.2: 347.59,55.28 347.59,58.5
Net-(D69-A): length 25.1
  Bottom w0.2: 15.25,40 15.25,42.83 ; 15.25,40 MX72.2 ; 15.25,40 10.95,35.71 MX71.2
Net-(D70-A): length 14.5
  Top w0.2: 30.79,29.84 37.17,36.23 v1(39.61,36.23)
  Bottom w0.2: v1(39.61,36.23) D70.2
Net-(D71-A): length 3.2
  Bottom w0.2: 57.07,36.22 57.07,39.44
Net-(D72-A): length 3.2
  Bottom w0.2: 76.12,36.22 76.12,39.44
Net-(D73-A): length 3.2
  Bottom w0.2: 95.18,36.22 95.18,39.44
Net-(D74-A): length 3.2
  Bottom w0.2: 114.23,36.22 114.23,39.44
Net-(D75-A): length 3.2
  Bottom w0.2: 133.28,36.22 133.28,39.44
Net-(D76-A): length 3.2
  Bottom w0.2: 152.33,36.22 152.33,39.44
Net-(D77-A): length 3.2
  Bottom w0.2: 171.38,36.22 171.38,39.44
Net-(D78-A): length 3.2
  Bottom w0.2: 190.43,36.22 190.43,39.44
Net-(D79-A): length 3.2
  Bottom w0.2: 209.47,36.22 209.47,39.44
Net-(D80-A): length 3.2
  Bottom w0.2: 228.53,36.22 228.53,39.44
Net-(D81-A): length 3.2
  Bottom w0.2: 254.72,36.22 254.72,39.44
Net-(D82-A): length 3.2
  Bottom w0.2: D82.2 309.49,39.45
Net-(D83-A): length 3.2
  Bottom w0.2: 328.54,36.23 328.54,39.45
Net-(D84-A): length 3.2
  Bottom w0.2: 347.59,36.23 347.59,39.45
Net-(D85-A): length 3.2
  Bottom w0.2: 285.68,31.46 285.68,34.68
Net-(D86-A): length 3.2
  Bottom w0.2: 366.64,26.7 366.64,29.92
Net-(D87-A): length 3.2
  Bottom w0.2: 16.59,17.17 16.59,20.4
Net-(D88-A): length 3.2
  Bottom w0.2: 40.4,17.17 40.4,20.4
Net-(D89-A): length 3.2
  Bottom w0.2: 64.22,17.17 64.22,20.4
Net-(D90-A): length 3.2
  Bottom w0.2: 95.17,17.17 95.17,20.4
Net-(D91-A): length 3.2
  Bottom w0.2: D91.2 135.65,20.4
Net-(D92-A): length 3.2
  Bottom w0.2: 176.14,17.17 176.14,20.4
Net-(D93-A): length 3.2
  Bottom w0.2: 204.71,17.17 204.71,20.4
Net-(D94-A): length 3.2
  Bottom w0.2: 223.76,17.17 223.76,20.4
Net-(D95-A): length 3.2
  Bottom w0.2: 242.81,17.17 242.81,20.4
Net-(D96-A): length 3.2
  Bottom w0.2: 328.54,17.17 328.54,20.4
Net-(D97-A): length 3.2
  Bottom w0.2: 347.59,17.17 347.59,20.4
Net-(D98-A): length 3.2
  Bottom w0.2: 266.62,12.41 266.62,15.63
Net-(D99-A): length 3.2
  Bottom w0.2: 285.67,12.41 285.67,15.63
Net-(D100-A): length 3.2
  Bottom w0.2: 304.72,12.41 304.72,15.63
Net-(J2-CC1): length 6.8
  Top w0.2: v1(290.85,117.5) 292.89,115.47 v1(293.93,115.47)
  Bottom w0.2: v1(293.93,115.47) 295.54,115.47 ; v1(290.85,117.5) J2.A5
Net-(J2-CC2): length 2.6
  Bottom w0.2: R2.1 293.85,117.43 J2.B5
Net-(LED1-DIN): length 15.6
  Bottom w0.2: ULED1.1 21.58,103.34 LED1.3
Net-(LED2-DIN): length 14.2
  Bottom w0.2: LED2.3 39.15,109.58 LED3.2
Net-(LED2-DOUT): length 6.9
  Bottom w0.2: LED2.2 28.03,105.41 ULED1.3
Net-(LED3-DIN): length 10.2
  Bottom w0.2: LED3.3 61.23,106.55 61.23,104.66 62.56,103.34
Net-(LED4-DIN): length 14.2
  Bottom w0.2: LED4.3 77.25,109.58 LED5.2
Net-(LED4-DOUT): length 7.9
  Bottom w0.2: LED4.2 69.67,109.58 ULED2.3
Net-(LED5-DIN): length 11.5
  Bottom w0.2: LED5.3 102.54,103.34 ULED3.1
Net-(LED6-DIN): length 14.2
  Bottom w0.2: LED6.3 120.11,109.58 LED7.2
Net-(LED6-DOUT): length 10.4
  Bottom w0.2: ULED3.3 110.05,109.58 LED6.2
Net-(LED7-DIN): length 10.2
  Bottom w0.2: LED7.3 142.23,106.51 142.23,104.76 143.66,103.34
Net-(LED8-DIN): length 14.2
  Bottom w0.2: LED9.2 158.21,109.58 LED8.3
Net-(LED8-DOUT): length 7.9
  Bottom w0.2: ULED4.3 150.67,109.58 LED8.2
Net-(LED9-DIN): length 11
  Bottom w0.2: 183.51,103.34 LED9.3
Net-(LED10-DIN): length 14.2
  Bottom w0.2: LED11.2 201.08,109.58 LED10.3
Net-(LED10-DOUT): length 10.7
  Bottom w0.2: ULED5.3 190.67,109.58 LED10.2
Net-(LED11-DIN): length 10.4
  Bottom w0.2: LED11.3 223.69,106.02 223.69,104.04 224.4,103.34 ULED6.1
Net-(LED12-DIN): length 14.2
  Bottom w0.2: LED13.2 239.18,109.58 LED12.3
Net-(LED12-DOUT): length 7.3
  Bottom w0.2: ULED6.3 231.67,109.58
Net-(LED13-DIN): length 11.7
  Bottom w0.2: ULED7.1 264.47,103.34 LED13.3
Net-(LED14-DIN): length 23.7
  Top w0.2: v1(288.93,109.58) v1(300.83,109.58)
  Bottom w0.2: LED15.2 v1(300.83,109.58) ; v1(288.93,109.58) 282.04,109.58 LED14.3
Net-(LED14-DOUT): length 10.2
  Bottom w0.2: ULED7.3 272.17,109.58 LED14.2
Net-(LED15-DIN): length 10.2
  Bottom w0.2: 315.14,103.34 314.46,104.02 314.46,105.73 LED15.3
Net-(LED16-DOUT): length 14.2
  Bottom w0.2: LED17.3 25.94,87.27 LED16.2
Net-(LED17-DOUT): length 14.2
  Bottom w0.2: LED17.2 44.99,87.27 LED18.3
Net-(LED18-DOUT): length 14.2
  Bottom w0.2: LED19.3 64.04,87.27 LED18.2
Net-(LED19-DOUT): length 14.2
  Bottom w0.2: LED19.2 83.09,87.27 LED20.3
Net-(LED20-DOUT): length 14.2
  Bottom w0.2: LED20.2 102.14,87.27 LED21.3
Net-(LED21-DOUT): length 14.2
  Bottom w0.2: LED22.3 121.19,87.27 LED21.2
Net-(LED22-DOUT): length 14.2
  Bottom w0.2: LED22.2 140.24,87.27 LED23.3
Net-(LED23-DOUT): length 14.2
  Bottom w0.2: LED23.2 159.29,87.27 LED24.3
Net-(LED24-DOUT): length 14.2
  Bottom w0.2: LED25.3 178.34,87.27 LED24.2
Net-(LED25-DOUT): length 14.2
  Bottom w0.2: LED25.2 197.39,87.27 LED26.3
Net-(LED26-DOUT): length 14.2
  Bottom w0.2: LED26.2 216.44,87.27 LED27.3
Net-(LED27-DOUT): length 14.2
  Bottom w0.2: LED28.3 235.49,87.27 LED27.2
Net-(LED28-DOUT): length 24.3
  Bottom w0.2: 260.51,87.18 258.41,89.27 251.05,89.27 250.25,88.48 243.65,88.48 LED28.2 ; 260.51,87.18 260.84,86.85 ; 260.51,87.18 260.86,86.83 262.92,86.83 LED29.3
Net-(LED29-DOUT): length 36.5
  Top w0.2: v1(299.24,87.58) v1(285.41,87.58)
  Bottom w0.2: v1(299.24,87.58) 301.95,87.58 LED30.3 ; v1(285.41,87.58) 280.81,87.58 279.45,88.95 270.69,88.95 269.42,87.68 LED29.2
Net-(LED30-DOUT): length 14.2
  Bottom w0.2: LED31.3 321.21,87.27 309.11,87.27
Net-(LED31-DOUT): length 14.2
  Bottom w0.2: LED32.3 340.26,87.27 LED31.2
Net-(LED32-DOUT): length 14.2
  Bottom w0.2: LED33.3 359.31,87.27 LED32.2
Net-(LED34-DIN): length 16.2
  Bottom w0.2: LED34.3 25.52,61.29 25.52,55.68 25.87,55.34 ULED10.1
Net-(LED35-DIN): length 14.2
  Bottom w0.2: LED36.2 43.91,66.72 LED35.3
Net-(LED35-DOUT): length 14
  Bottom w0.2: ULED10.3 28.03,57.78 LED35.2
Net-(LED36-DIN): length 14.2
  Bottom w0.2: LED36.3 62.96,66.72 LED37.2
Net-(LED37-DIN): length 14.2
  Bottom w0.2: LED37.3 82.01,66.72 LED38.2
Net-(LED38-DIN): length 14.2
  Bottom w0.2: LED38.3 101.06,66.72 LED39.2
Net-(LED39-DIN): length 14.2
  Bottom w0.2: LED39.3 120.11,66.72 LED40.2
Net-(LED40-DIN): length 14.2
  Bottom w0.2: LED41.2 139.16,66.72 LED40.3
Net-(LED41-DIN): length 14.2
  Bottom w0.2: LED42.2 158.21,66.72 LED41.3
Net-(LED42-DIN): length 14.2
  Bottom w0.2: LED43.2 177.26,66.72 LED42.3
Net-(LED43-DIN): length 14.2
  Bottom w0.2: LED44.2 196.31,66.72 LED43.3
Net-(LED44-DIN): length 14.2
  Bottom w0.2: LED44.3 215.36,66.72 LED45.2
Net-(LED45-DIN): length 14.2
  Bottom w0.2: LED45.3 234.41,66.72 LED46.2
Net-(LED46-DIN): length 19
  Bottom w0.2: LED46.3 253.46,66.72 LED47.2
Net-(LED47-DIN): length 28.5
  Top w0.2: v1(277.12,66.87) 277.22,66.77 v1(299.24,66.77)
  Bottom w0.2: v1(299.24,66.77) LED48.2 ; v1(277.12,66.87) LED47.3
Net-(LED48-DIN): length 14.2
  Bottom w0.2: 322.71,66.72 310.67,66.72 LED48.3
Net-(LED49-DIN): length 14.2
  Bottom w0.2: LED49.3 329.72,66.72 341.76,66.72
Net-(LED50-DIN): length 13.5
  Bottom w0.2: ULED11.1 353.56,61.92 LED50.3
Net-(LED51-DOUT): length 6.8
  Bottom w0.2: LED51.2 358.29,57.25 356.61,55.56 ULED11.3
Net-(LED52-DOUT): length 33.7
  Top w0.2: v1(17.44,50.21) 16.8,50.85 v1(13.69,50.85)
  Bottom w0.2: LED53.3 39.91,49.48 18.17,49.48 v1(17.44,50.21) ; v1(13.69,50.85) 11.31,50.85 9.88,49.42
Net-(LED53-DOUT): length 14.2
  Bottom w0.2: LED54.3 59.27,49.17 LED53.2
Net-(LED54-DOUT): length 14.2
  Bottom w0.2: LED54.2 78.33,49.17 LED55.3
Net-(LED55-DOUT): length 14.2
  Bottom w0.2: LED56.3 97.38,49.17 LED55.2
Net-(LED56-DOUT): length 14.2
  Bottom w0.2: LED56.2 116.43,49.17 LED57.3
Net-(LED57-DOUT): length 14.2
  Bottom w0.2: LED58.3 135.47,49.17 LED57.2
Net-(LED58-DOUT): length 14.2
  Bottom w0.2: LED58.2 154.53,49.17 LED59.3
Net-(LED59-DOUT): length 14.2
  Bottom w0.2: LED59.2 173.58,49.17 LED60.3
Net-(LED60-DOUT): length 14.2
  Bottom w0.2: LED60.2 192.62,49.17 LED61.3
Net-(LED61-DOUT): length 14.2
  Bottom w0.2: LED61.2 211.68,49.17 LED62.3
Net-(LED62-DOUT): length 14.2
  Bottom w0.2: LED62.2 230.72,49.17 LED63.3
Net-(LED63-DOUT): length 26.8
  Bottom w0.2: LED63.2 238.51,50.01 260.84,50.01 LED64.3
Net-(LED64-DOUT): length 39.5
  Top w0.2: v1(299.24,48.73) 292.17,48.73 287.5,44.06 v1(277.02,44.06)
  Bottom w0.2: v1(277.02,44.06) 274.86,44.06 269.75,49.17 LED64.2 ; v1(299.24,48.73) 302.6,48.73 LED65.3
Net-(LED65-DOUT): length 14.2
  Bottom w0.2: LED65.2 321.21,49.17 LED66.3
Net-(LED66-DOUT): length 14.2
  Bottom w0.2: LED67.3 340.26,49.17 LED66.2
Net-(LED68-DIN): length 9.5
  Top w0.2: v1(23.92,31.74) 24.72,30.94 v1(24.72,26.97)
  Bottom w0.2: v1(24.72,26.97) 24.72,26.18 26.06,24.84 ; LED68.3 23.92,30.45 v1(23.92,31.74)
Net-(LED69-DIN): length 8.2
  Bottom w0.2: ULED13.1 61.98,24.84 LED69.3
Net-(LED69-DOUT): length 24.7
  Bottom w0.2: LED69.2 50.85,29.02 33.95,29.02 32.37,27.44 29.53,27.44 ULED12.3
Net-(LED70-DIN): length 14.2
  Bottom w0.2: LED70.3 77.25,28.62 LED71.2
Net-(LED70-DOUT): length 6.9
  Bottom w0.2: LED70.2 67.21,28.62 ULED13.3
Net-(LED71-DIN): length 7
  Bottom w0.2: 94.8,30.08 95.78,29.11 95.78,28.18 99.12,24.84
Net-(LED72-DIN): length 14.2
  Bottom w0.2: LED73.2 115.35,28.62 LED72.3
Net-(LED72-DOUT): length 8.5
  Bottom w0.2: LED72.2 103.72,28.62 ULED14.3
Net-(LED73-DIN): length 9
  Bottom w0.2: LED73.3 138.18,24.84 ULED15.1
Net-(LED74-DIN): length 14.2
  Bottom w0.2: LED74.3 153.45,28.62 LED75.2
Net-(LED74-DOUT): length 6.1
  Bottom w0.2: LED74.2 144.2,28.62 ULED15.3
Net-(LED75-DIN): length 9
  Bottom w0.2: ULED16.1 176.28,24.84 LED75.3
Net-(LED76-DIN): length 14.2
  Bottom w0.2: LED76.3 191.55,28.62 LED77.2
Net-(LED76-DOUT): length 6.1
  Bottom w0.2: ULED16.3 182.3,28.62 LED76.2
Net-(LED77-DIN): length 8.2
  Bottom w0.2: ULED17.1 214.38,24.84 LED77.3
Net-(LED78-DIN): length 21.4
  Bottom w0.2: LED78.3 229.65,28.62 LED79.2
Net-(LED78-DOUT): length 6.9
  Bottom w0.2: ULED17.3 219.61,28.62 LED78.2
Net-(LED79-DIN): length 14.6
  Top w0.2: v1(259.56,25.4) v1(264.84,25.4)
  Bottom w0.2: v1(259.56,25.4) 259.06,25.4 LED79.3 ; 266.66,24.67 266.21,25.12 266.01,25.12 265.74,25.4 v1(264.84,25.4)
Net-(LED80-DIN): length 21
  Bottom w0.2: LED81.2 298.84,23.8 286.86,23.8 LED80.3
Net-(LED80-DOUT): length 15.2
  Top w0.2: v1(267.4,25.4) v1(277.81,25.4)
  Bottom w0.2: v1(277.81,25.4) 278.31,25.4 LED80.2 ; 265.56,26.1 266.01,25.65 266.21,25.65 266.47,25.4 v1(267.4,25.4)
Net-(LED81-DIN): length 8.3
  Bottom w0.2: LED81.3 314.39,24.84 ULED19.1
Net-(LED82-DIN): length 14.2
  Bottom w0.2: LED82.3 329.66,28.62 LED83.2
Net-(LED82-DOUT): length 6.8
  Bottom w0.2: ULED19.3 319.71,28.62 LED82.2
Net-(LED83-DIN): length 8.6
  Bottom w0.2: LED83.3 347.81,30.12 353.2,24.73 ULED20.1
Net-(LED84-DOUT): length 7.7
  Bottom w0.2: LED84.2 358.47,19.09 ULED20.3
Net-(LED85-DOUT): length 19
  Bottom w0.2: LED85.2 33.08,11.07 LED86.3
Net-(LED86-DOUT): length 19
  Bottom w0.2: LED86.2 56.89,11.07 LED87.3
Net-(LED87-DOUT): length 27
  Bottom w0.2: LED88.3 86.77,12.15 64.93,12.15 LED87.2
Net-(LED88-DOUT): length 36.6
  Bottom w0.2: LED89.3 127.25,12.15 95.88,12.15 LED88.2
Net-(LED89-DOUT): length 36.6
  Bottom w0.2: LED90.3 167.73,12.15 136.37,12.15 LED89.2
Net-(LED90-DOUT): length 24.6
  Bottom w0.2: LED91.3 196.3,12.15 176.85,12.15 LED90.2
Net-(LED91-DOUT): length 14.2
  Bottom w0.2: LED91.2 216.44,11.07 LED92.3
Net-(LED92-DOUT): length 14.2
  Bottom w0.2: LED92.2 235.49,11.07 LED93.3
Net-(LED93-DOUT): length 20.5
  Bottom w0.2: 260.31,4.81 254.04,11.07 LED93.2
Net-(LED94-DOUT): length 14.2
  Bottom w0.2: LED95.3 278.35,6.31 LED94.2
Net-(LED95-DOUT): length 14.2
  Bottom w0.2: LED95.2 297.4,6.31 LED96.3
Net-(LED96-DOUT): length 19.7
  Bottom w0.2: LED96.2 317.58,6.31 320.84,9.57 LED97.3
Net-(LED97-DOUT): length 14.2
  Bottom w0.2: LED98.3 340.26,11.07 LED97.2
Net-(R3-Pad2): length 1.4
  Bottom w0.2: R3.2 R4.1
Net-(ULED8-DIN): length 36.6
  Bottom w0.2: 317.09,104.44 318.19,103.34 ULED9.1
Net-(ULED9-DIN): length 1.5
  Bottom w0.2: 355.17,104.58 R5.1

## Copper pours and planes (outline as drawn; the poured copper is in the pictures)
GND on Top, Bottom: 0,127 0,0 374.65,0 374.65,127
